# KiCad board hvd-50-idc-panel.kicad_pcb (continued)
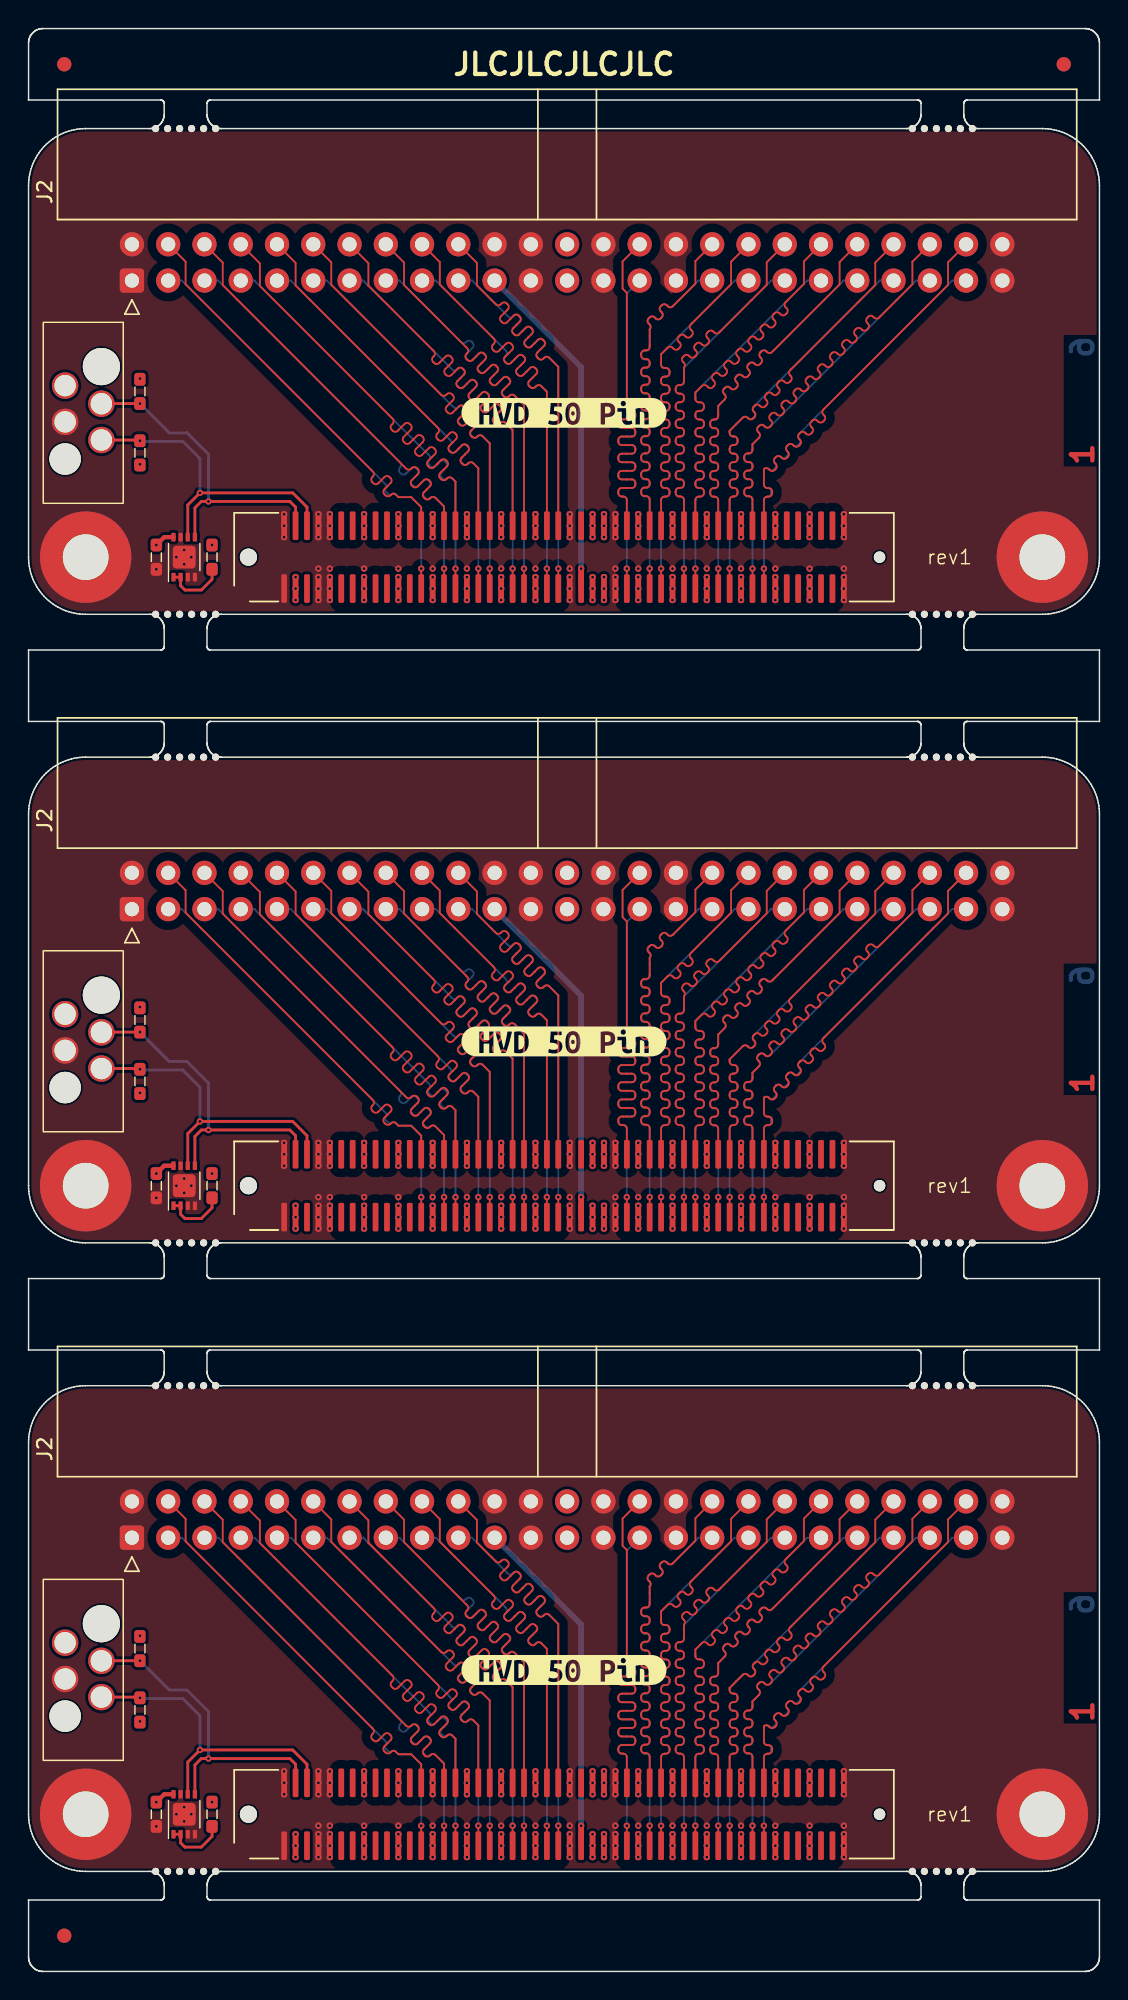
[diagram p0: board, top side]
## Routing (per net, layer and track width the routed paths; a pad name or vN(x,y) marks a point on that pad's centre or on a via; arc(x,y) is an arc through that point) (continued)
Board_0-/CON.ATN+: length 30.4
  Top w0.128: J1#2.61 v1(41.9,98.2)
  Bottom w0.128: v1(41.9,98.2) 41.9,103 arc(41.83,103.17) 41.66,103.24 41.56,103.24 arc(41.39,103.31) 41.32,103.48 41.32,103.6 arc(41.39,103.77) 41.56,103.84 42.24,103.84 arc(42.41,103.91) 42.48,104.08 42.48,104.2 arc(42.41,104.37) 42.24,104.44 41.56,104.44 arc(41.39,104.51) 41.32,104.68 41.32,104.8 arc(41.39,104.97) 41.56,105.04 42.24,105.04 arc(42.41,105.11) 42.48,105.28 42.48,105.4 arc(42.41,105.57) 42.24,105.64 41.56,105.64 arc(41.39,105.71) 41.32,105.88 41.32,106 arc(41.39,106.17) 41.56,106.24 42.24,106.24 arc(42.41,106.31) 42.48,106.48 42.48,106.6 arc(42.41,106.77) 42.24,106.84 41.56,106.84 arc(41.39,106.91) 41.32,107.08 41.32,107.2 arc(41.39,107.37) 41.56,107.44 42.24,107.44 arc(42.41,107.51) 42.48,107.68 42.48,107.8 arc(42.41,107.97) 42.24,108.04 41.56,108.04 arc(41.39,108.11) 41.32,108.28 41.32,108.4 arc(41.39,108.57) 41.56,108.64 41.66,108.64 arc(41.83,108.71) 41.9,108.88 41.9,117.46 J2#2.29
Board_0-/CON.ATN-: length 30
  Top w0.128: J1#2.62 41.9,103 arc(41.83,103.17) 41.66,103.24 41.54,103.24 arc(41.37,103.32) 41.3,103.48 41.3,103.6 arc(41.37,103.77) 41.54,103.84 42.26,103.84 arc(42.43,103.92) 42.5,104.08 42.5,104.2 arc(42.43,104.37) 42.26,104.44 41.54,104.44 arc(41.37,104.52) 41.3,104.68 41.3,104.8 arc(41.37,104.97) 41.54,105.04 42.26,105.04 arc(42.43,105.12) 42.5,105.28 42.5,105.4 arc(42.43,105.57) 42.26,105.64 41.54,105.64 arc(41.37,105.72) 41.3,105.88 41.3,106 arc(41.37,106.17) 41.54,106.24 42.26,106.24 arc(42.43,106.32) 42.5,106.48 42.5,106.6 arc(42.43,106.77) 42.26,106.84 41.54,106.84 arc(41.37,106.92) 41.3,107.08 41.3,107.2 arc(41.37,107.37) 41.54,107.44 42.26,107.44 arc(42.43,107.52) 42.5,107.68 42.5,107.8 arc(42.43,107.97) 42.26,108.04 41.54,108.04 arc(41.37,108.12) 41.3,108.28 41.3,108.4 arc(41.37,108.57) 41.54,108.64 42.26,108.64 arc(42.43,108.72) 42.5,108.88 42.5,109 arc(42.43,109.17) 42.26,109.24 42.14,109.24 arc(41.97,109.32) 41.9,109.48 41.9,117.5 41.6,117.8 41.6,119.7 J2#2.30
Board_0-/CON.BSY+: length 32.6
  Top w0.128: J1#2.65 v1(43.5,98.2)
  Bottom w0.128: v1(43.5,98.2) 43.5,103 arc(43.43,103.17) 43.26,103.24 43.14,103.24 arc(42.97,103.31) 42.9,103.48 42.9,103.6 arc(42.97,103.77) 43.14,103.84 43.26,103.84 arc(43.43,103.91) 43.5,104.08 43.5,104.2 arc(43.43,104.37) 43.26,104.44 43.14,104.44 arc(42.97,104.51) 42.9,104.68 42.9,104.8 arc(42.97,104.97) 43.14,105.04 43.26,105.04 arc(43.43,105.11) 43.5,105.28 43.5,105.4 arc(43.43,105.57) 43.26,105.64 43.14,105.64 arc(42.97,105.71) 42.9,105.88 42.9,106 arc(42.97,106.17) 43.14,106.24 43.26,106.24 arc(43.43,106.31) 43.5,106.48 43.5,106.6 arc(43.43,106.77) 43.26,106.84 43.14,106.84 arc(42.97,106.91) 42.9,107.08 42.9,107.2 arc(42.97,107.37) 43.14,107.44 43.26,107.44 arc(43.43,107.51) 43.5,107.68 43.5,107.8 arc(43.43,107.97) 43.26,108.04 43.14,108.04 arc(42.97,108.11) 42.9,108.28 42.9,108.4 arc(42.97,108.57) 43.14,108.64 43.26,108.64 arc(43.43,108.71) 43.5,108.88 43.5,109 arc(43.43,109.17) 43.26,109.24 43.14,109.24 arc(42.97,109.31) 42.9,109.48 42.9,109.6 arc(42.97,109.77) 43.14,109.84 43.26,109.84 arc(43.43,109.91) 43.5,110.08 43.5,110.2 arc(43.43,110.37) 43.26,110.44 43.14,110.44 arc(42.97,110.51) 42.9,110.68 42.9,110.8 arc(42.97,110.97) 43.14,111.04 43.26,111.04 arc(43.43,111.11) 43.5,111.28 43.5,111.4 arc(43.43,111.57) 43.26,111.64 43.14,111.64 arc(42.97,111.71) 42.9,111.88 42.9,112 arc(42.97,112.17) 43.14,112.24 43.26,112.24 arc(43.43,112.31) 43.5,112.48 43.5,112.6 arc(43.43,112.77) 43.26,112.84 43.14,112.84 arc(42.97,112.91) 42.9,113.08 42.9,113.2 arc(42.97,113.37) 43.14,113.44 43.26,113.44 arc(43.43,113.51) 43.5,113.68 43.5,114.95 arc(43.57,115.12) 43.5,115.29 43.42,115.37 arc(43.34,115.54) 43.42,115.71 43.5,115.8 arc(43.67,115.87) 43.84,115.8 43.92,115.71 arc(44.09,115.64) 44.26,115.71 44.35,115.8 arc(44.42,115.97) 44.35,116.13 44.26,116.22 arc(44.19,116.39) 44.26,116.56 44.35,116.64 arc(44.52,116.71) 44.69,116.64 44.77,116.56 arc(44.94,116.49) 45.11,116.56 46.92,118.36 J2#2.33
Board_0-/CON.BSY-: length 30
  Top w0.128: J1#2.66 43.5,103.04 arc(43.43,103.21) 43.26,103.28 43.15,103.28 arc(42.98,103.35) 42.91,103.52 42.91,103.64 arc(42.98,103.81) 43.15,103.88 43.26,103.88 arc(43.43,103.95) 43.5,104.12 43.5,104.24 arc(43.43,104.41) 43.26,104.48 43.15,104.48 arc(42.98,104.55) 42.91,104.72 42.91,104.84 arc(42.98,105.01) 43.15,105.08 43.26,105.08 arc(43.43,105.15) 43.5,105.32 43.5,105.44 arc(43.43,105.61) 43.26,105.68 43.15,105.68 arc(42.98,105.75) 42.91,105.92 42.91,106.04 arc(42.98,106.21) 43.15,106.28 43.26,106.28 arc(43.43,106.35) 43.5,106.52 43.5,106.64 arc(43.43,106.81) 43.26,106.88 43.15,106.88 arc(42.98,106.95) 42.91,107.12 42.91,107.24 arc(42.98,107.41) 43.15,107.48 43.26,107.48 arc(43.43,107.55) 43.5,107.72 43.5,107.84 arc(43.43,108.01) 43.26,108.08 43.15,108.08 arc(42.98,108.15) 42.91,108.32 42.91,108.44 arc(42.98,108.61) 43.15,108.68 43.26,108.68 arc(43.43,108.75) 43.5,108.92 43.5,109.04 arc(43.43,109.21) 43.26,109.28 43.15,109.28 arc(42.98,109.35) 42.91,109.52 42.91,109.64 arc(42.98,109.81) 43.15,109.88 43.26,109.88 arc(43.43,109.95) 43.5,110.12 43.5,110.24 arc(43.43,110.41) 43.26,110.48 43.15,110.48 arc(42.98,110.55) 42.91,110.72 42.91,110.84 arc(42.98,111.01) 43.15,111.08 43.26,111.08 arc(43.43,111.15) 43.5,111.32 43.5,111.44 arc(43.43,111.61) 43.26,111.68 43.15,111.68 arc(42.98,111.75) 42.91,111.92 42.91,112.04 arc(42.98,112.21) 43.15,112.28 43.26,112.28 arc(43.43,112.35) 43.5,112.52 43.5,112.64 arc(43.43,112.81) 43.26,112.88 43.15,112.88 arc(42.98,112.95) 42.91,113.12 42.91,113.24 arc(42.98,113.41) 43.15,113.48 43.26,113.48 arc(43.43,113.55) 43.5,113.72 43.5,114.95 arc(43.57,115.12) 43.5,115.29 43.42,115.37 arc(43.35,115.54) 43.42,115.71 43.5,115.79 arc(43.67,115.86) 43.84,115.79 43.92,115.71 arc(44.09,115.64) 44.26,115.71 44.35,115.8 arc(44.42,115.97) 44.35,116.13 44.27,116.22 arc(44.2,116.39) 44.27,116.55 44.35,116.64 arc(44.52,116.71) 44.69,116.64 44.77,116.56 arc(44.94,116.49) 45.11,116.56 46.7,118.15 46.7,119.72 J2#2.34
Board_0-/CON.C/D+: length 30.4
  Top w0.128: J1#2.79 v1(49.1,98.2)
  Bottom w0.128: v1(49.1,98.2) 49.1,103.02 arc(49.17,103.19) 49.34,103.26 49.42,103.26 arc(49.59,103.33) 49.66,103.5 49.66,103.62 arc(49.59,103.79) 49.42,103.86 49.34,103.86 arc(49.17,103.93) 49.1,104.1 49.1,104.22 arc(49.17,104.39) 49.34,104.46 49.42,104.46 arc(49.59,104.53) 49.66,104.7 49.66,104.82 arc(49.59,104.99) 49.42,105.06 49.34,105.06 arc(49.17,105.13) 49.1,105.3 49.1,105.42 arc(49.17,105.59) 49.34,105.66 49.42,105.66 arc(49.59,105.73) 49.66,105.9 49.66,106.02 arc(49.59,106.19) 49.42,106.26 49.34,106.26 arc(49.17,106.33) 49.1,106.5 49.1,106.62 arc(49.17,106.79) 49.34,106.86 49.42,106.86 arc(49.59,106.93) 49.66,107.1 49.66,107.22 arc(49.59,107.39) 49.42,107.46 49.34,107.46 arc(49.17,107.53) 49.1,107.7 49.1,107.85 50.02,108.77 arc(50.19,108.84) 50.36,108.77 50.41,108.71 arc(50.58,108.64) 50.75,108.71 50.84,108.8 arc(50.91,108.97) 50.84,109.14 50.78,109.19 arc(50.71,109.36) 50.78,109.53 50.87,109.61 59.62,118.36 J2#2.43
Board_0-/CON.C/D-: length 30
  Top w0.128: J2#2.44 59.3,119.62 59.3,118.05 53.41,112.16 53.33,112.08 arc(53.26,111.91) 53.33,111.74 53.38,111.68 arc(53.45,111.51) 53.38,111.34 53.3,111.26 arc(53.13,111.19) 52.96,111.26 52.9,111.31 arc(52.73,111.38) 52.56,111.31 52.48,111.23 arc(52.41,111.06) 52.48,110.89 52.53,110.83 arc(52.6,110.66) 52.53,110.49 52.45,110.41 arc(52.28,110.34) 52.11,110.41 52.06,110.46 arc(51.89,110.53) 51.72,110.46 51.63,110.38 arc(51.56,110.21) 51.63,110.04 51.68,109.99 arc(51.76,109.82) 51.68,109.65 51.6,109.56 arc(51.43,109.49) 51.26,109.56 51.21,109.61 arc(51.04,109.68) 50.87,109.61 50.78,109.53 arc(50.71,109.36) 50.78,109.19 50.84,109.14 arc(50.91,108.97) 50.84,108.8 50.75,108.71 arc(50.58,108.64) 50.41,108.71 50.36,108.77 arc(50.19,108.84) 50.02,108.77 49.1,107.85 49.1,107.69 arc(49.17,107.52) 49.34,107.45 49.42,107.45 arc(49.59,107.38) 49.66,107.21 49.66,107.09 arc(49.59,106.92) 49.42,106.85 49.34,106.85 arc(49.17,106.78) 49.1,106.61 49.1,106.49 arc(49.17,106.32) 49.34,106.25 49.42,106.25 arc(49.59,106.18) 49.66,106.01 49.66,105.89 arc(49.59,105.72) 49.42,105.65 49.34,105.65 arc(49.17,105.58) 49.1,105.41 49.1,105.29 arc(49.17,105.12) 49.34,105.05 49.42,105.05 arc(49.59,104.98) 49.66,104.81 49.66,104.69 arc(49.59,104.52) 49.42,104.45 49.34,104.45 arc(49.17,104.38) 49.1,104.21 49.1,104.09 arc(49.17,103.92) 49.34,103.85 49.42,103.85 arc(49.59,103.78) 49.66,103.61 49.66,103.49 arc(49.59,103.32) 49.42,103.25 49.34,103.25 arc(49.17,103.18) 49.1,103.01 J1#2.80
Board_0-/CON.DB0+: length 30.4
  Top w0.128: J1#2.25 v1(27.5,98.2)
  Bottom w0.128: v1(27.5,98.2) 27.5,102.5 26.8,103.2 25.9,103.2 25.69,103.42 arc(25.56,103.47) 25.44,103.42 arc(25.31,103.36) 25.19,103.42 25.01,103.59 arc(24.96,103.72) 25.01,103.84 arc(25.07,103.96) 25.01,104.09 10.74,118.36 J2#2.3
Board_0-/CON.DB0-: length 30
  Top w0.128: J2#2.4 11,119.68 11,118.11 24.03,105.07 24.12,104.99 arc(24.19,104.82) 24.12,104.65 24.07,104.6 arc(24,104.43) 24.07,104.26 24.15,104.17 arc(24.32,104.1) 24.49,104.17 24.93,104.61 arc(25.1,104.69) 25.27,104.61 25.36,104.53 arc(25.43,104.36) 25.36,104.19 24.92,103.75 arc(24.85,103.58) 24.92,103.41 25,103.33 arc(25.17,103.26) 25.34,103.33 25.39,103.38 arc(25.56,103.45) 25.73,103.38 25.9,103.2 26.8,103.2 27.5,102.5 J1#2.26
Board_0-/CON.DB1+: length 32.9
  Top w0.128: J1#2.29 v1(29.1,98.2)
  Bottom w0.128: J2#2.5 13.28,118.36 26.02,105.62 arc(26.09,105.45) 26.02,105.28 26,105.26 arc(25.93,105.09) 26,104.92 26.09,104.84 arc(26.26,104.77) 26.43,104.84 26.81,105.22 arc(26.98,105.29) 27.15,105.22 27.23,105.14 arc(27.3,104.97) 27.23,104.8 26.85,104.42 arc(26.78,104.25) 26.85,104.08 26.94,103.99 arc(27.11,103.92) 27.28,103.99 27.66,104.37 arc(27.83,104.44) 28,104.37 28.08,104.29 arc(28.15,104.12) 28.08,103.95 27.7,103.57 arc(27.63,103.4) 27.7,103.23 27.78,103.14 arc(27.95,103.07) 28.12,103.14 28.14,103.16 arc(28.31,103.23) 28.48,103.16 29.1,102.55 v1(29.1,98.2)
Board_0-/CON.DB1-: length 30
  Top w0.128: J1#2.30 29.1,102.55 28.49,103.15 arc(28.32,103.22) 28.15,103.15 28.1,103.1 arc(27.93,103.03) 27.76,103.1 27.68,103.19 arc(27.61,103.36) 27.68,103.53 28.12,103.97 arc(28.19,104.14) 28.12,104.31 28.04,104.39 arc(27.87,104.46) 27.7,104.39 27.25,103.95 arc(27.08,103.88) 26.91,103.95 26.83,104.04 arc(26.76,104.2) 26.83,104.37 27.27,104.82 arc(27.34,104.99) 27.27,105.16 27.19,105.24 arc(27.02,105.31) 26.85,105.24 26.8,105.19 arc(26.63,105.12) 26.46,105.19 13.6,118.05 13.6,119.62 J2#2.6
Board_0-/CON.DB2+: length 30.4
  Top w0.128: J1#2.31 v1(29.9,98.2)
  Bottom w0.128: v1(29.9,98.2) 29.9,104.29 29.67,104.51 arc(29.5,104.58) 29.34,104.51 arc(29.17,104.45) 29,104.51 28.91,104.61 arc(28.84,104.77) 28.91,104.94 29.25,105.28 arc(29.32,105.44) 29.25,105.61 29.16,105.7 arc(28.99,105.77) 28.82,105.7 28.49,105.37 arc(28.32,105.3) 28.15,105.37 28.06,105.45 arc(27.99,105.62) 28.06,105.79 arc(28.13,105.96) 28.06,106.12 27.98,106.21 15.82,118.36 J2#2.7
Board_0-/CON.DB2-: length 34.4
  Top w0.128: J1#2.32 29.9,104.29 29.66,104.53 arc(29.49,104.6) 29.32,104.53 29.24,104.45 arc(29.08,104.38) 28.91,104.45 28.82,104.54 arc(28.75,104.7) 28.82,104.87 29.31,105.37 arc(29.38,105.54) 29.31,105.71 29.23,105.79 arc(29.06,105.86) 28.89,105.79 28.4,105.3 arc(28.23,105.23) 28.06,105.3 27.97,105.38 arc(27.9,105.55) 27.97,105.72 28.46,106.21 arc(28.53,106.38) 28.46,106.55 28.38,106.64 arc(28.21,106.71) 28.04,106.64 27.55,106.15 arc(27.38,106.08) 27.21,106.15 27.12,106.23 arc(27.05,106.4) 27.12,106.57 27.62,107.06 arc(27.69,107.23) 27.62,107.4 27.53,107.49 arc(27.36,107.56) 27.19,107.49 26.7,107 arc(26.53,106.93) 26.36,107 26.27,107.08 arc(26.2,107.25) 26.27,107.42 26.77,107.91 arc(26.84,108.08) 26.77,108.25 26.68,108.34 arc(26.51,108.41) 26.34,108.34 25.85,107.84 arc(25.68,107.77) 25.51,107.84 25.43,107.93 arc(25.36,108.1) 25.43,108.27 25.5,108.34 arc(25.57,108.51) 25.5,108.68 16.2,117.99 16.2,119.56 J2#2.8
Board_0-/CON.DB3+: length 30.4
  Top w0.128: J1#2.35 v1(31.5,98.2)
  Bottom w0.128: J2#2.9 18.36,118.36 29.45,107.27 29.54,107.19 arc(29.61,107.02) 29.54,106.85 29.49,106.81 arc(29.42,106.64) 29.49,106.47 29.58,106.38 arc(29.75,106.31) 29.92,106.38 30.34,106.81 arc(30.51,106.88) 30.68,106.81 30.77,106.72 arc(30.84,106.55) 30.77,106.38 30.34,105.96 arc(30.27,105.79) 30.34,105.62 30.43,105.53 arc(30.6,105.46) 30.77,105.53 30.81,105.58 arc(30.98,105.65) 31.15,105.58 31.5,105.23 v1(31.5,98.2)
Board_0-/CON.DB3-: length 30
  Top w0.128: J2#2.10 18.7,119.6 18.7,118.03 28.68,108.04 arc(28.75,107.88) 28.68,107.71 28.62,107.64 arc(28.55,107.47) 28.62,107.3 28.7,107.21 arc(28.87,107.14) 29.04,107.21 29.51,107.69 arc(29.68,107.76) 29.85,107.69 29.94,107.6 arc(30.01,107.43) 29.94,107.26 29.46,106.79 arc(29.39,106.62) 29.46,106.45 29.55,106.37 arc(29.72,106.3) 29.89,106.37 30.36,106.84 arc(30.53,106.91) 30.7,106.84 30.79,106.75 arc(30.86,106.58) 30.79,106.41 30.31,105.94 arc(30.24,105.77) 30.31,105.6 30.4,105.52 arc(30.57,105.45) 30.74,105.52 30.8,105.58 arc(30.97,105.65) 31.14,105.58 31.5,105.23 J1#2.36
Board_0-/CON.DB4+: length 30.4
  Top w0.128: J1#2.37 v1(32.3,98.2)
  Bottom w0.128: J2#2.11 20.9,118.36 29.77,109.5 arc(29.94,109.43) 30.11,109.5 30.14,109.53 arc(30.31,109.6) 30.48,109.53 30.56,109.44 arc(30.63,109.27) 30.56,109.1 30.16,108.7 arc(30.09,108.53) 30.16,108.36 30.25,108.28 arc(30.42,108.21) 30.59,108.28 30.99,108.68 arc(31.16,108.75) 31.33,108.68 31.41,108.59 arc(31.48,108.42) 31.41,108.25 31.01,107.86 arc(30.94,107.69) 31.01,107.52 31.1,107.43 arc(31.27,107.36) 31.44,107.43 31.47,107.46 arc(31.64,107.53) 31.81,107.46 32.3,106.97 v1(32.3,98.2)
Board_0-/CON.DB4-: length 30
  Top w0.128: J2#2.12 21.2,119.64 21.2,118.07 28.91,110.36 arc(29.08,110.29) 29.25,110.36 29.3,110.41 arc(29.47,110.48) 29.64,110.41 29.73,110.33 arc(29.8,110.16) 29.73,109.99 29.28,109.54 arc(29.21,109.37) 29.28,109.2 29.36,109.12 arc(29.53,109.05) 29.7,109.12 30.15,109.56 arc(30.32,109.63) 30.49,109.56 30.57,109.48 arc(30.64,109.31) 30.57,109.14 30.13,108.69 arc(30.06,108.52) 30.13,108.35 30.21,108.27 arc(30.38,108.2) 30.55,108.27 31,108.72 arc(31.17,108.79) 31.34,108.72 31.42,108.63 arc(31.49,108.46) 31.42,108.29 30.98,107.84 arc(30.91,107.67) 30.98,107.51 31.06,107.42 arc(31.23,107.35) 31.4,107.42 31.45,107.47 arc(31.62,107.54) 31.79,107.47 32.3,106.97 J1#2.38
Board_0-/CON.DB5+: length 35.8
  Top w0.128: J1#2.41 v1(33.9,98.2)
  Bottom w0.128: v1(33.9,98.2) 33.9,107.9 33.39,108.41 arc(33.22,108.48) 33.05,108.41 33,108.36 arc(32.83,108.29) 32.66,108.36 32.58,108.44 arc(32.51,108.61) 32.58,108.78 33.02,109.23 arc(33.09,109.4) 33.02,109.57 32.94,109.65 arc(32.77,109.72) 32.6,109.65 32.15,109.2 arc(31.98,109.13) 31.81,109.2 31.73,109.29 arc(31.66,109.46) 31.73,109.63 32.17,110.08 arc(32.24,110.24) 32.17,110.41 32.09,110.5 arc(31.92,110.57) 31.75,110.5 31.3,110.05 arc(31.13,109.98) 30.96,110.05 30.88,110.14 arc(30.81,110.31) 30.88,110.48 31.32,110.92 arc(31.39,111.09) 31.32,111.26 31.24,111.35 arc(31.07,111.42) 30.9,111.35 30.45,110.9 arc(30.28,110.83) 30.11,110.9 30.03,110.99 arc(29.96,111.16) 30.03,111.33 30.48,111.77 arc(30.55,111.94) 30.48,112.11 30.39,112.2 arc(30.22,112.27) 30.05,112.2 30,112.14 arc(29.83,112.07) 29.66,112.14 23.44,118.36 ; J2#2.13 23.44,118.36 ; 23.44,118.36 24.8,117
Board_0-/CON.DB5-: length 34.4
  Top w0.128: J2#2.14 23.8,119.58 23.8,118.01 28.39,113.42 arc(28.46,113.25) 28.39,113.08 28.33,113.01 arc(28.26,112.84) 28.33,112.67 28.41,112.59 arc(28.58,112.52) 28.75,112.59 29.22,113.05 arc(29.39,113.12) 29.56,113.05 29.64,112.97 arc(29.71,112.8) 29.64,112.63 29.18,112.17 arc(29.11,112) 29.18,111.83 29.26,111.74 arc(29.43,111.67) 29.6,111.74 30.07,112.2 arc(30.24,112.27) 30.41,112.2 30.49,112.12 arc(30.56,111.95) 30.49,111.78 30.03,111.32 arc(29.96,111.15) 30.03,110.98 30.11,110.89 arc(30.28,110.82) 30.45,110.89 30.91,111.36 arc(31.08,111.43) 31.25,111.36 31.34,111.27 arc(31.41,111.1) 31.34,110.93 30.87,110.47 arc(30.8,110.3) 30.87,110.13 30.96,110.04 arc(31.13,109.97) 31.3,110.04 31.76,110.51 arc(31.93,110.58) 32.1,110.51 32.19,110.42 arc(32.26,110.25) 32.19,110.08 31.72,109.62 arc(31.65,109.45) 31.72,109.28 31.81,109.2 arc(31.98,109.13) 32.15,109.2 32.61,109.66 arc(32.78,109.73) 32.95,109.66 33.04,109.57 arc(33.11,109.4) 33.04,109.23 32.57,108.77 arc(32.5,108.6) 32.57,108.43 32.66,108.35 arc(32.83,108.28) 33,108.35 33.06,108.41 arc(33.23,108.48) 33.4,108.41 33.9,107.91 J1#2.42
Board_0-/CON.DB6+: length 32.9
  Top w0.128: J1#2.43 v1(34.7,98.2)
  Bottom w0.128: v1(34.7,98.2) 34.7,109.65 34.03,110.32 arc(33.86,110.39) 33.69,110.32 33.65,110.27 arc(33.48,110.2) 33.31,110.27 33.22,110.36 arc(33.15,110.53) 33.22,110.7 33.65,111.12 arc(33.72,111.29) 33.65,111.46 33.56,111.55 arc(33.39,111.62) 33.22,111.55 32.8,111.12 arc(32.63,111.05) 32.46,111.12 32.38,111.21 arc(32.31,111.38) 32.38,111.55 32.8,111.97 arc(32.87,112.14) 32.8,112.31 32.72,112.4 arc(32.55,112.47) 32.38,112.4 31.95,111.97 arc(31.78,111.9) 31.61,111.97 31.53,112.06 arc(31.46,112.23) 31.53,112.39 31.95,112.82 arc(32.02,112.99) 31.95,113.16 31.87,113.24 arc(31.7,113.31) 31.53,113.24 31.1,112.82 arc(30.93,112.75) 30.76,112.82 30.68,112.9 arc(30.61,113.07) 30.68,113.24 31.1,113.67 arc(31.17,113.84) 31.1,114.01 31.02,114.09 arc(30.85,114.16) 30.68,114.09 30.64,114.05 arc(30.47,113.98) 30.3,114.05 25.98,118.36 J2#2.15
Board_0-/CON.DB6-: length 30
  Top w0.128: J1#2.44 34.7,109.65 34.03,110.31 arc(33.87,110.38) 33.7,110.31 33.63,110.25 arc(33.46,110.18) 33.29,110.25 33.21,110.33 arc(33.14,110.5) 33.21,110.67 33.67,111.14 arc(33.74,111.31) 33.67,111.48 33.59,111.56 arc(33.42,111.63) 33.25,111.56 32.78,111.1 arc(32.61,111.03) 32.44,111.1 32.36,111.18 arc(32.29,111.35) 32.36,111.52 32.83,111.99 arc(32.9,112.16) 32.83,112.33 32.74,112.41 arc(32.57,112.48) 32.4,112.41 31.93,111.95 arc(31.76,111.87) 31.59,111.95 31.51,112.03 arc(31.44,112.2) 31.51,112.37 31.98,112.84 arc(32.05,113.01) 31.98,113.18 31.89,113.26 arc(31.72,113.33) 31.55,113.26 31.09,112.79 arc(30.92,112.72) 30.75,112.79 30.66,112.88 arc(30.59,113.05) 30.66,113.22 30.73,113.28 arc(30.8,113.45) 30.73,113.62 26.3,118.05 26.3,119.62 J2#2.16
Board_0-/CON.DB7+: length 31.3
  Top w0.128: J1#2.47 v1(36.3,98.2)
  Bottom w0.128: v1(36.3,98.2) 36.3,110.59 35.9,110.99 arc(35.73,111.06) 35.56,110.99 35.48,110.91 arc(35.31,110.84) 35.14,110.91 35.06,111 arc(34.99,111.17) 35.06,111.34 35.55,111.83 arc(35.62,112) 35.55,112.17 35.47,112.25 arc(35.3,112.32) 35.13,112.25 34.63,111.76 arc(34.46,111.69) 34.29,111.76 34.21,111.85 arc(34.14,112.02) 34.21,112.19 34.7,112.68 arc(34.77,112.85) 34.7,113.02 34.62,113.1 arc(34.45,113.17) 34.28,113.1 33.78,112.61 arc(33.62,112.54) 33.45,112.61 33.36,112.69 arc(33.29,112.86) 33.36,113.03 33.44,113.11 arc(33.51,113.28) 33.44,113.45 28.52,118.36 J2#2.17 28.44,118.36
Board_0-/CON.DB7-: length 30
  Top w0.128: J1#2.48 36.3,110.59 35.91,110.98 arc(35.74,111.05) 35.57,110.98 35.48,110.9 arc(35.31,110.83) 35.14,110.9 35.06,110.98 arc(34.99,111.15) 35.06,111.32 35.57,111.83 arc(35.64,112) 35.57,112.17 35.48,112.25 arc(35.31,112.32) 35.14,112.25 34.63,111.75 arc(34.47,111.68) 34.3,111.75 34.21,111.83 arc(34.14,112) 34.21,112.17 34.72,112.68 arc(34.79,112.85) 34.72,113.02 34.63,113.1 arc(34.46,113.17) 34.29,113.1 33.79,112.59 arc(33.62,112.52) 33.45,112.59 33.36,112.68 arc(33.29,112.85) 33.36,113.02 33.87,113.52 arc(33.94,113.69) 33.87,113.86 33.78,113.95 arc(33.61,114.02) 33.44,113.95 32.94,113.44 arc(32.77,113.37) 32.6,113.44 32.51,113.53 arc(32.44,113.7) 32.51,113.87 32.6,113.95 arc(32.67,114.12) 32.6,114.29 28.8,118.09 28.8,119.66 J2#2.18
Board_0-/CON.DIFFSENSE: length 24.1
  Top w0.4: J1#2.53 v1(38.7,98.2)
  Bottom w0.4: J2#2.21 38.7,112.3 v1(38.7,98.2)
Board_0-/CON.DP0+: length 30.4
  Top w0.128: J1#2.49 v1(37.1,98.2)
  Bottom w0.128: v1(37.1,98.2) 37.1,112.33 36.45,112.97 arc(36.28,113.04) 36.11,112.97 36.05,112.91 arc(35.88,112.84) 35.71,112.91 35.63,113 arc(35.56,113.17) 35.63,113.34 36.09,113.8 arc(36.16,113.97) 36.09,114.14 36.01,114.22 arc(35.84,114.29) 35.67,114.22 35.2,113.76 arc(35.03,113.69) 34.86,113.76 34.78,113.85 arc(34.71,114.01) 34.78,114.18 35.24,114.65 arc(35.31,114.82) 35.24,114.99 35.16,115.07 arc(34.99,115.14) 34.82,115.07 34.36,114.61 arc(34.19,114.54) 34.02,114.61 33.93,114.69 arc(33.86,114.86) 33.93,115.03 34.39,115.5 arc(34.46,115.67) 34.39,115.84 34.31,115.92 arc(34.14,115.99) 33.97,115.92 33.91,115.86 arc(33.74,115.79) 33.57,115.86 31.06,118.36 J2#2.19
Board_0-/CON.DP0-: length 30
  Top w0.128: J2#2.20 31.4,119.6 31.4,118.03 32.73,116.7 arc(32.9,116.63) 33.07,116.7 33.14,116.77 arc(33.31,116.84) 33.48,116.77 33.57,116.68 arc(33.64,116.51) 33.57,116.34 33.08,115.86 arc(33.01,115.69) 33.08,115.52 33.17,115.44 arc(33.34,115.37) 33.51,115.44 33.99,115.92 arc(34.16,115.99) 34.33,115.92 34.41,115.84 arc(34.48,115.67) 34.41,115.5 33.93,115.01 arc(33.86,114.84) 33.93,114.67 34.02,114.59 arc(34.19,114.52) 34.36,114.59 34.84,115.07 arc(35.01,115.14) 35.18,115.07 35.26,114.99 arc(35.33,114.82) 35.26,114.65 34.78,114.16 arc(34.71,113.99) 34.78,113.82 34.86,113.74 arc(35.03,113.67) 35.2,113.74 35.69,114.22 arc(35.86,114.29) 36.03,114.22 36.11,114.14 arc(36.18,113.97) 36.11,113.8 35.63,113.32 arc(35.56,113.15) 35.63,112.98 35.71,112.89 arc(35.88,112.82) 36.05,112.89 36.12,112.96 arc(36.29,113.03) 36.46,112.96 37.1,112.33 J1#2.50
Board_0-/CON.I/O+: length 30.4
  Top w0.128: J1#2.85 v1(51.5,98.2)
  Bottom w0.128: J2#2.47 64.7,118.36 54.05,107.71 53.96,107.63 arc(53.89,107.46) 53.96,107.29 53.98,107.27 arc(54.05,107.1) 53.98,106.93 53.89,106.85 arc(53.72,106.78) 53.55,106.85 53.54,106.86 arc(53.37,106.93) 53.2,106.86 53.11,106.78 arc(53.04,106.61) 53.11,106.44 53.13,106.42 arc(53.2,106.25) 53.13,106.08 53.05,106 arc(52.88,105.93) 52.71,106 52.69,106.02 arc(52.52,106.09) 52.35,106.02 52.26,105.93 arc(52.19,105.76) 52.26,105.59 52.28,105.57 arc(52.35,105.4) 52.28,105.23 52.2,105.15 arc(52.03,105.08) 51.86,105.15 51.84,105.17 arc(51.67,105.24) 51.5,105.17 51.5,104.08 arc(51.57,103.91) 51.74,103.84 51.77,103.84 arc(51.94,103.77) 52.01,103.6 52.01,103.48 arc(51.94,103.31) 51.77,103.24 51.74,103.24 arc(51.57,103.17) 51.5,103 v1(51.5,98.2)
Board_0-/CON.I/O-: length 30
  Top w0.128: J2#2.48 64.4,119.64 64.4,118.07 55.74,109.41 55.66,109.32 arc(55.59,109.16) 55.66,108.99 55.73,108.91 arc(55.8,108.75) 55.73,108.58 55.64,108.49 arc(55.47,108.42) 55.3,108.49 55.23,108.56 arc(55.06,108.63) 54.89,108.56 54.81,108.48 arc(54.74,108.31) 54.81,108.14 54.88,108.07 arc(54.95,107.9) 54.88,107.73 54.79,107.64 arc(54.63,107.57) 54.46,107.64 54.38,107.71 arc(54.22,107.78) 54.05,107.71 53.96,107.63 arc(53.89,107.46) 53.96,107.29 54.03,107.22 arc(54.1,107.05) 54.03,106.88 53.95,106.79 arc(53.78,106.72) 53.61,106.79 53.54,106.86 arc(53.37,106.93) 53.2,106.86 53.11,106.78 arc(53.04,106.61) 53.11,106.44 53.18,106.37 arc(53.25,106.2) 53.18,106.03 53.1,105.94 arc(52.93,105.87) 52.76,105.94 52.69,106.02 arc(52.52,106.09) 52.35,106.02 52.26,105.93 arc(52.19,105.76) 52.26,105.59 52.33,105.52 arc(52.4,105.35) 52.33,105.18 52.25,105.1 arc(52.08,105.03) 51.91,105.1 51.84,105.17 arc(51.67,105.24) 51.5,105.17 51.5,104.08 arc(51.57,103.91) 51.74,103.84 51.84,103.84 arc(52.01,103.77) 52.08,103.6 52.08,103.48 arc(52.01,103.31) 51.84,103.24 51.74,103.24 arc(51.57,103.17) 51.5,103 J1#2.86
Board_0-/CON.MSG+: length 30.4
  Top w0.128: J1#2.73 v1(46.7,98.2)
  Bottom w0.128: J2#2.39 54.54,118.36 46.7,110.53 46.7,110.07 arc(46.77,109.9) 46.94,109.83 47.05,109.83 arc(47.22,109.76) 47.29,109.59 47.29,109.47 arc(47.22,109.3) 47.05,109.23 46.94,109.23 arc(46.77,109.16) 46.7,108.99 46.7,108.87 arc(46.77,108.7) 46.94,108.63 47.05,108.63 arc(47.22,108.56) 47.29,108.39 47.29,108.27 arc(47.22,108.1) 47.05,108.03 46.94,108.03 arc(46.77,107.96) 46.7,107.79 46.7,107.67 arc(46.77,107.5) 46.94,107.43 47.05,107.43 arc(47.22,107.36) 47.29,107.19 47.29,107.07 arc(47.22,106.9) 47.05,106.83 46.94,106.83 arc(46.77,106.76) 46.7,106.59 46.7,106.47 arc(46.77,106.3) 46.94,106.23 47.05,106.23 arc(47.22,106.16) 47.29,105.99 47.29,105.87 arc(47.22,105.7) 47.05,105.63 46.94,105.63 arc(46.77,105.56) 46.7,105.39 46.7,105.27 arc(46.77,105.1) 46.94,105.03 47.05,105.03 arc(47.22,104.96) 47.29,104.79 47.29,104.67 arc(47.22,104.5) 47.05,104.43 46.94,104.43 arc(46.77,104.36) 46.7,104.19 46.7,104.07 arc(46.77,103.9) 46.94,103.83 47.05,103.83 arc(47.22,103.76) 47.29,103.59 47.29,103.47 arc(47.22,103.3) 47.05,103.23 46.94,103.23 arc(46.77,103.16) 46.7,102.99 v1(46.7,98.2)
Board_0-/CON.MSG-: length 33.6
  Top w0.128: J2#2.40 54.3,119.7 54.3,118.13 53.01,116.84 arc(52.94,116.67) 53.01,116.5 53.1,116.42 arc(53.17,116.25) 53.1,116.08 53.01,115.99 arc(52.84,115.92) 52.68,115.99 52.59,116.08 arc(52.42,116.15) 52.25,116.08 52.17,115.99 arc(52.1,115.82) 52.17,115.65 52.25,115.57 arc(52.32,115.4) 52.25,115.23 52.17,115.14 arc(52,115.07) 51.83,115.14 51.74,115.23 arc(51.57,115.3) 51.4,115.23 51.32,115.14 arc(51.25,114.97) 51.32,114.8 51.4,114.72 arc(51.47,114.55) 51.4,114.38 51.32,114.3 arc(51.15,114.23) 50.98,114.3 50.89,114.38 arc(50.72,114.45) 50.55,114.38 50.47,114.3 arc(50.4,114.13) 50.47,113.96 50.55,113.87 arc(50.62,113.7) 50.55,113.53 50.47,113.45 arc(50.3,113.38) 50.13,113.45 50.04,113.53 arc(49.87,113.6) 49.71,113.53 49.62,113.45 arc(49.55,113.28) 49.62,113.11 49.71,113.02 arc(49.78,112.85) 49.71,112.68 49.62,112.6 arc(49.45,112.53) 49.28,112.6 49.2,112.68 arc(49.03,112.75) 48.86,112.68 48.77,112.6 arc(48.7,112.43) 48.77,112.26 48.86,112.17 arc(48.93,112) 48.86,111.84 48.77,111.75 arc(48.6,111.68) 48.43,111.75 48.35,111.84 arc(48.18,111.91) 48.01,111.84 47.92,111.75 arc(47.85,111.58) 47.92,111.41 48.01,111.33 arc(48.08,111.16) 48.01,110.99 47.92,110.9 arc(47.75,110.83) 47.58,110.9 47.5,110.99 arc(47.33,111.06) 47.16,110.99 46.7,110.53 46.7,110.08 arc(46.77,109.91) 46.94,109.84 47.06,109.84 arc(47.23,109.77) 47.3,109.6 47.3,109.48 arc(47.23,109.31) 47.06,109.24 46.94,109.24 arc(46.77,109.17) 46.7,109 46.7,108.88 arc(46.77,108.71) 46.94,108.64 47.06,108.64 arc(47.23,108.57) 47.3,108.4 47.3,108.28 arc(47.23,108.11) 47.06,108.04 46.94,108.04 arc(46.77,107.97) 46.7,107.8 46.7,107.68 arc(46.77,107.51) 46.94,107.44 47.06,107.44 arc(47.23,107.37) 47.3,107.2 47.3,107.08 arc(47.23,106.91) 47.06,106.84 46.94,106.84 arc(46.77,106.77) 46.7,106.6 46.7,106.48 arc(46.77,106.31) 46.94,106.24 47.06,106.24 arc(47.23,106.17) 47.3,106 47.3,105.88 arc(47.23,105.71) 47.06,105.64 46.94,105.64 arc(46.77,105.57) 46.7,105.4 46.7,105.28 arc(46.77,105.11) 46.94,105.04 47.06,105.04 arc(47.23,104.97) 47.3,104.8 47.3,104.68 arc(47.23,104.51) 47.06,104.44 46.94,104.44 arc(46.77,104.37) 46.7,104.2 46.7,104.08 arc(46.77,103.91) 46.94,103.84 47.06,103.84 arc(47.23,103.77) 47.3,103.6 47.3,103.48 arc(47.23,103.31) 47.06,103.24 46.94,103.24 arc(46.77,103.17) 46.7,103 J1#2.74
Board_0-/CON.REQ+: length 30.4
  Top w0.128: J1#2.83 v1(50.7,98.2)
  Bottom w0.128: J2#2.45 62.16,118.36 52.01,108.22 51.92,108.13 arc(51.75,108.06) 51.58,108.13 51.5,108.21 arc(51.33,108.28) 51.16,108.21 51.08,108.13 arc(51.01,107.96) 51.08,107.79 51.16,107.71 arc(51.23,107.54) 51.16,107.37 50.7,106.91 50.7,106.48 arc(50.63,106.31) 50.46,106.24 50.34,106.24 arc(50.17,106.17) 50.1,106 50.1,105.88 arc(50.17,105.71) 50.34,105.64 50.46,105.64 arc(50.63,105.57) 50.7,105.4 50.7,105.28 arc(50.63,105.11) 50.46,105.04 50.34,105.04 arc(50.17,104.97) 50.1,104.8 50.1,104.68 arc(50.17,104.51) 50.34,104.44 50.46,104.44 arc(50.63,104.37) 50.7,104.2 50.7,104.08 arc(50.63,103.91) 50.46,103.84 50.34,103.84 arc(50.17,103.77) 50.1,103.6 50.1,103.48 arc(50.17,103.31) 50.34,103.24 50.46,103.24 arc(50.63,103.17) 50.7,103 v1(50.7,98.2)
Board_0-/CON.REQ-: length 34.4
  Top w0.128: J1#2.84 50.7,103.03 arc(50.63,103.2) 50.46,103.27 50.36,103.27 arc(50.19,103.34) 50.12,103.51 50.12,103.63 arc(50.19,103.8) 50.36,103.87 50.46,103.87 arc(50.63,103.94) 50.7,104.11 50.7,104.23 arc(50.63,104.4) 50.46,104.47 50.36,104.47 arc(50.19,104.54) 50.12,104.71 50.12,104.83 arc(50.19,105) 50.36,105.07 50.46,105.07 arc(50.63,105.14) 50.7,105.31 50.7,105.43 arc(50.63,105.6) 50.46,105.67 50.36,105.67 arc(50.19,105.74) 50.12,105.91 50.12,106.03 arc(50.19,106.2) 50.36,106.27 50.46,106.27 arc(50.63,106.34) 50.7,106.51 50.7,106.91 51.16,107.37 arc(51.23,107.54) 51.16,107.71 51.09,107.77 arc(51.02,107.94) 51.09,108.11 51.18,108.2 arc(51.35,108.27) 51.52,108.2 51.58,108.13 arc(51.75,108.06) 51.92,108.13 52.01,108.22 arc(52.08,108.38) 52.01,108.55 51.94,108.62 arc(51.87,108.79) 51.94,108.96 52.03,109.05 arc(52.2,109.12) 52.36,109.05 52.43,108.98 arc(52.6,108.91) 52.77,108.98 52.86,109.06 arc(52.93,109.23) 52.86,109.4 52.79,109.47 arc(52.72,109.64) 52.79,109.81 52.87,109.89 arc(53.04,109.97) 53.21,109.89 53.28,109.83 arc(53.45,109.76) 53.62,109.83 53.71,109.91 arc(53.78,110.08) 53.71,110.25 53.64,110.32 arc(53.57,110.49) 53.64,110.66 53.72,110.74 arc(53.89,110.81) 54.06,110.74 54.13,110.68 arc(54.3,110.61) 54.47,110.68 54.55,110.76 arc(54.62,110.93) 54.55,111.1 54.49,111.17 arc(54.42,111.34) 54.49,111.51 54.57,111.59 arc(54.74,111.66) 54.91,111.59 54.98,111.52 arc(55.15,111.45) 55.32,111.52 55.4,111.61 arc(55.47,111.78) 55.4,111.95 55.33,112.02 arc(55.26,112.19) 55.33,112.36 55.42,112.44 arc(55.59,112.51) 55.76,112.44 55.83,112.37 arc(56,112.3) 56.17,112.37 56.25,112.46 arc(56.32,112.63) 56.25,112.8 56.18,112.86 arc(56.11,113.03) 56.18,113.2 56.27,113.29 arc(56.44,113.36) 56.61,113.29 56.68,113.22 arc(56.84,113.15) 57.01,113.22 57.1,113.31 arc(57.17,113.48) 57.1,113.65 57.03,113.71 arc(56.96,113.88) 57.03,114.05 57.12,114.14 arc(57.29,114.21) 57.46,114.14 57.52,114.07 arc(57.69,114) 57.86,114.07 57.95,114.15 arc(58.02,114.32) 57.95,114.49 57.88,114.56 arc(57.81,114.73) 57.88,114.9 57.97,114.99 arc(58.13,115.06) 58.3,114.99 58.37,114.92 arc(58.54,114.85) 58.71,114.92 58.8,115 arc(58.87,115.17) 58.8,115.34 58.73,115.41 arc(58.66,115.58) 58.73,115.75 58.81,115.83 arc(58.98,115.9) 59.15,115.83 59.22,115.77 arc(59.39,115.7) 59.56,115.77 61.9,118.11 61.9,119.68 J2#2.46
